# Altium PCB HK0J2071758B03.PcbDoc (part 1 of 5)
Units mm, origin at the board's own origin, x right, y up, seen from the top; angles counter-clockwise.
Board outline 42.1 x 32.68 mm, 2 copper layers (TOP, BOTTOM), stack 0.321 mm thick; 44 components, 54 nets, 194 pads, 149 vias.
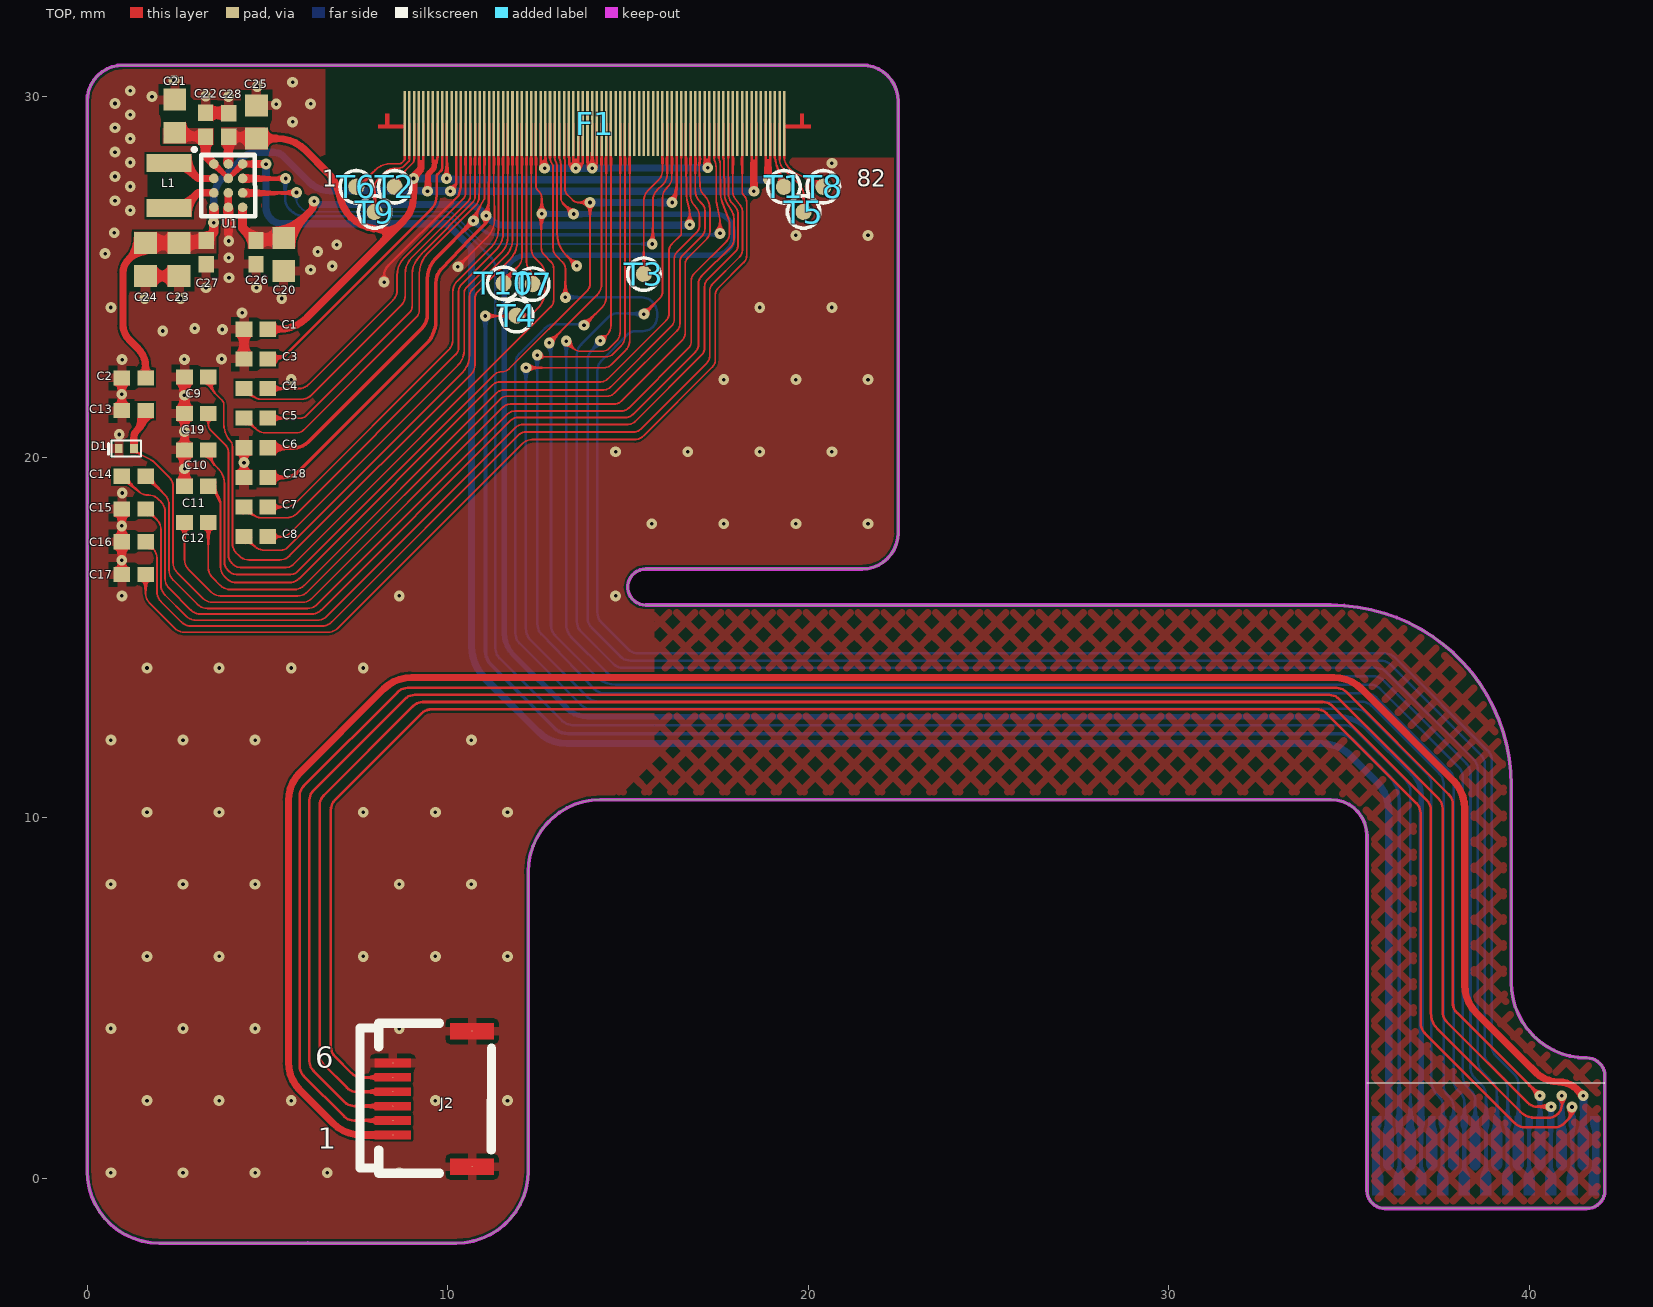
[diagram p0: TOP view]
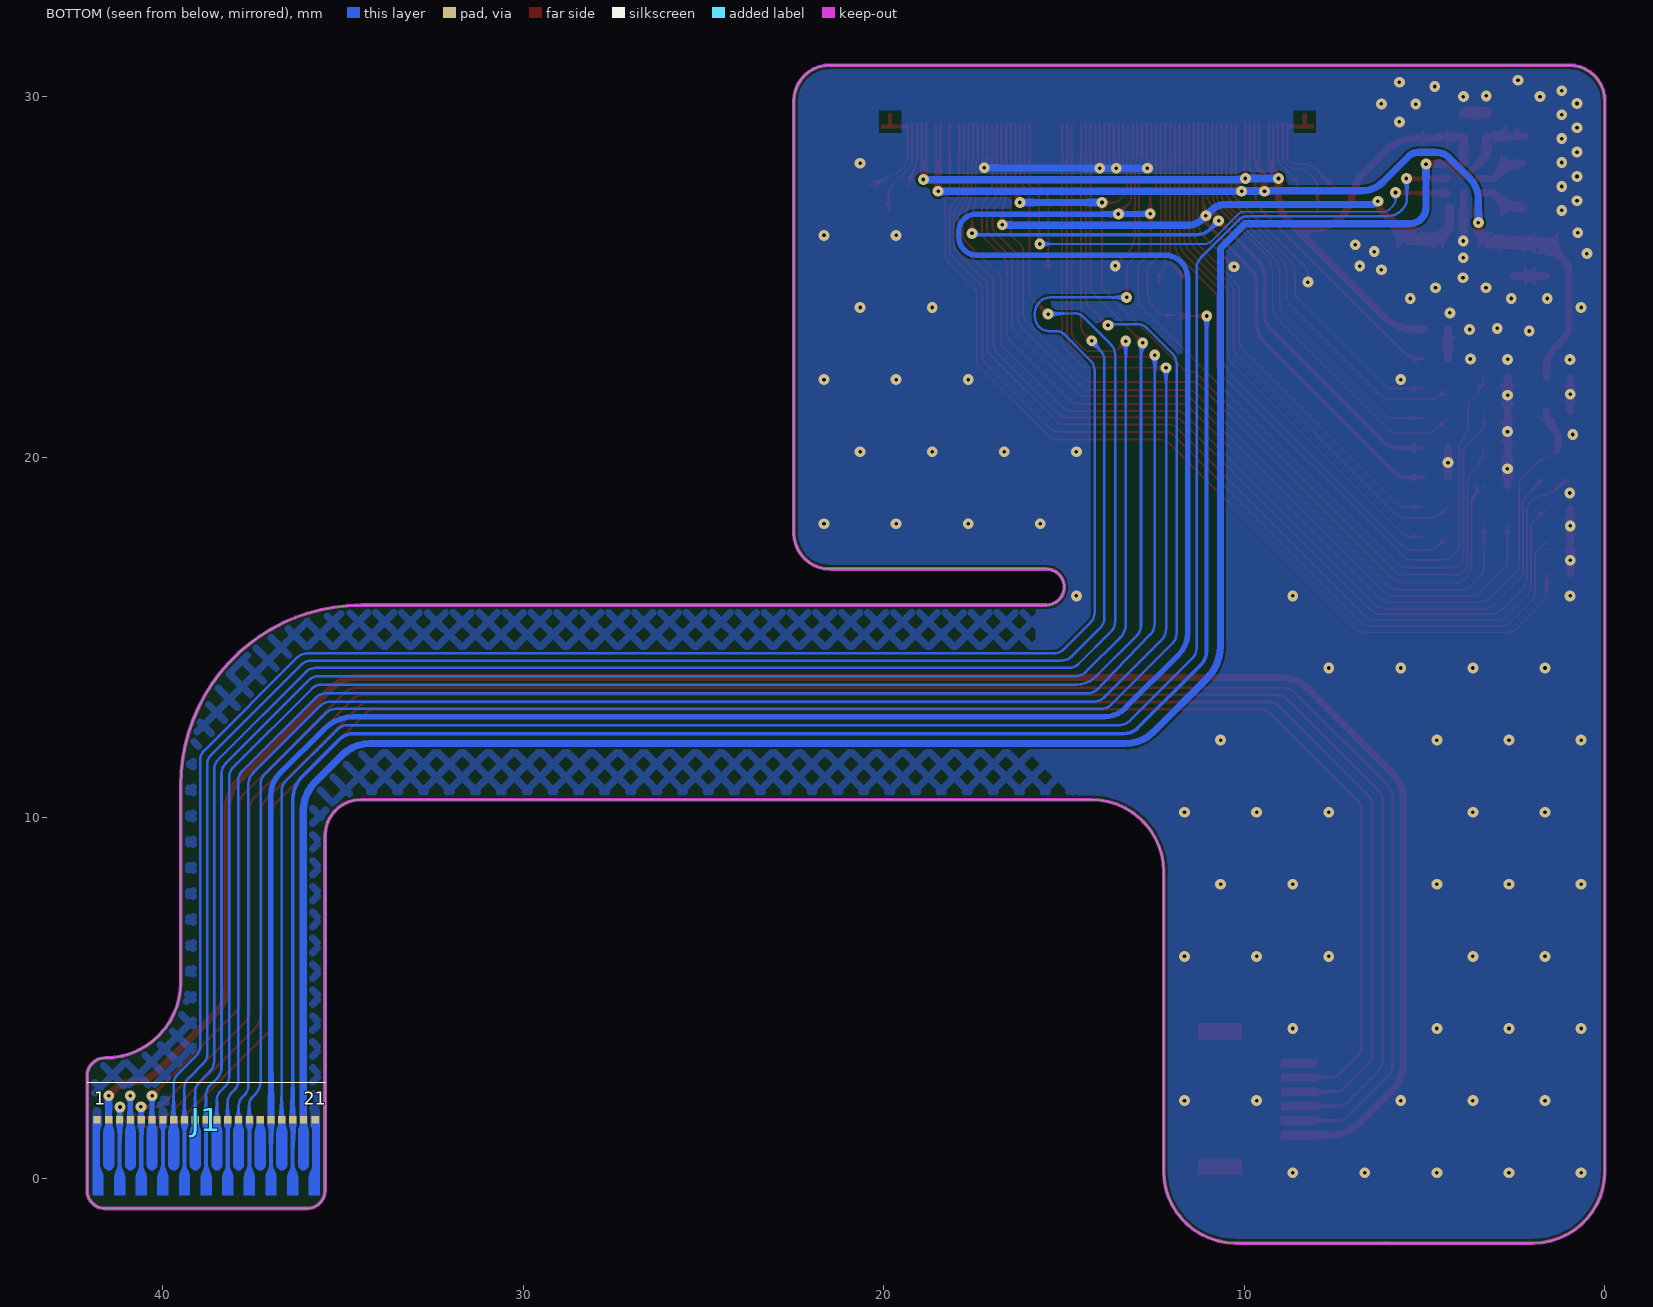
[diagram p1: BOTTOM view, seen from below]
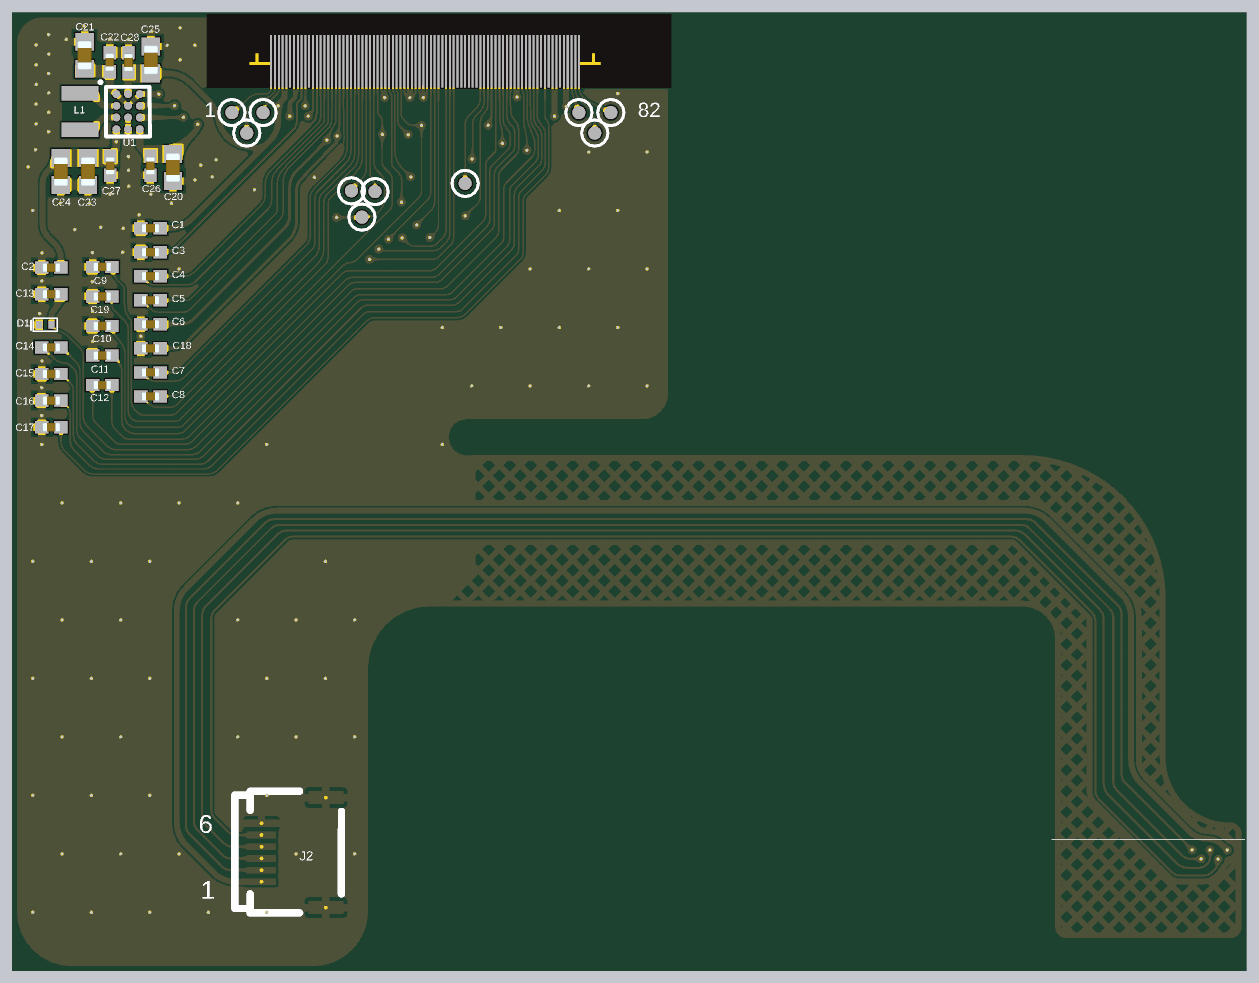
[diagram p6: 3D render of the assembled board from above, using the file's embedded part models]

## Layer stack, top to bottom
Top Stiffener: core 0.1, Core-009, Dk 4.5
Top Coverlay: solder mask 0.05, FC-001, Dk 4
TOP: signal copper 0.035
Adhesive 1: prepreg 0.013, PP-006, Dk 4.1
Polymide: core 0.025, Core-001, Dk 4.1
Adhesive 2: prepreg 0.013, PP-006, Dk 4.1
BOTTOM: signal copper 0.035
Bottom Coverlay: solder mask 0.05, FC-001, Dk 4
Bottom Stiffener: core 0.1, Core-009, Dk 4.5

## Board outline
2,-1.803 10.24,-1.803 ccw(c10.24,0.197) 12.24,0.197 12.24,8.497 cw(c14.24,8.497) 14.24,10.497 34.504,10.497 cw(c34.504,9.497) 35.504,9.497 35.504,-0.341 ccw(c36.004,-0.341) 36.004,-0.841 41.604,-0.841 ccw(c41.604,-0.341) 42.104,-0.341 42.104,2.834 ccw(c41.605,2.834) 41.604,3.334 cw(c41.604,5.434) 39.504,5.434 39.504,10.897 ccw(c34.505,10.897) 34.504,15.897 15.5,15.897 cw(c15.5,16.397) 15.5,16.897 21.5,16.897 ccw(c21.5,17.897) 22.5,17.897 22.5,29.876 ccw(c21.5,29.876) 21.5,30.876 1,30.876 ccw(c1,29.876) 0,29.876 0,0.197 ccw(c2,0.197)

## Design rules (kind name [scope] priority, off if disabled: settings)
BoardOutlineClearance [All] p1: gap=0.051 ignorepadtopadclearanceinfootprint=FALSE
Clearance [All] p1: gap=0.07 ignorepadtopadclearanceinfootprint=TRUE except(0.05: Arc-Region Track-Region SMDPad-Region Via-Region Region-Region; 0.06: Arc-Arc Arc-Track Arc-SMDPad Arc-THPad Arc-Via Arc-Fill Arc-Poly Arc-Text Arc-Hole Track-Track Track-SMDPad Track-THPad Track-Via Track-Fill Track-Poly Track-Text Track-Hole THPad-Region Fill-Region Poly-Region; 0.076: Text-Text Text-Hole)
ComponentClearance [All] p1: gap=0 collisioncheckmode=3 verticalgap=0.254 showdistances=FALSE
DiffPairsRouting [All] p1: maxlimit=0.254 minlimit=0.254 mostfreqgap=0.254 toplayer_minwidth=0.381 toplayer_maxwidth=0.381 toplayer_prefwidth=0.381 bottomlayer_minwidth=0.381 bottomlayer_maxwidth=0.381 bottomlayer_prefwidth=0.381 substack1={169C3359-E97F-47B8-B5D1-FE20E11E3A7F} toplayer_{169c3359-e97f-47b8-b5d1-fe20e11e3a7f}_minwidth=0.381 toplayer_{169c3359-e97f-47b8-b5d1-fe20e11e3a7f}_maxwidth=0.381 toplayer_{169c3359-e97f-47b8-b5d1-fe20e11e3a7f}_prefwidth=0.381 bottomlayer_{169c3359-e97f-47b8-b5d1-fe20e11e3a7f}_minwidth=0.381 bottomlayer_{169c3359-e97f-47b8-b5d1-fe20e11e3a7f}_maxwidth=0.381 bottomlayer_{169c3359-e97f-47b8-b5d1-fe20e11e3a7f}_prefwidth=0.381 substack2={AD35D62E-E976-4F43-AFB7-1F8630225B68} toplayer_{ad35d62e-e976-4f43-afb7-1f8630225b68}_minwidth=0.381 toplayer_{ad35d62e-e976-4f43-afb7-1f8630225b68}_maxwidth=0.381 toplayer_{ad35d62e-e976-4f43-afb7-1f8630225b68}_prefwidth=0.381 bottomlayer_{ad35d62e-e976-4f43-afb7-1f8630225b68}_minwidth=0.381 bottomlayer_{ad35d62e-e976-4f43-afb7-1f8630225b68}_maxwidth=0.381 bottomlayer_{ad35d62e-e976-4f43-afb7-1f8630225b68}_prefwidth=0.381 substack3={7EE685B5-E26D-42BB-97A2-8B5C11376137} toplayer_{7ee685b5-e26d-42bb-97a2-8b5c11376137}_minwidth=0.381 toplayer_{7ee685b5-e26d-42bb-97a2-8b5c11376137}_maxwidth=0.381 toplayer_{7ee685b5-e26d-42bb-97a2-8b5c11376137}_prefwidth=0.381 bottomlayer_{7ee685b5-e26d-42bb-97a2-8b5c11376137}_minwidth=0.381 bottomlayer_{7ee685b5-e26d-42bb-97a2-8b5c11376137}_maxwidth=0.381 bottomlayer_{7ee685b5-e26d-42bb-97a2-8b5c11376137}_prefwidth=0.381 substack4={C0098630-1477-4163-96F2-A121F3601C51} toplayer_{c0098630-1477-4163-96f2-a121f3601c51}_minwidth=0.381 toplayer_{c0098630-1477-4163-96f2-a121f3601c51}_maxwidth=0.381 toplayer_{c0098630-1477-4163-96f2-a121f3601c51}_prefwidth=0.381 bottomlayer_{c0098630-1477-4163-96f2-a121f3601c51}_minwidth=0.381 bottomlayer_{c0098630-1477-4163-96f2-a121f3601c51}_maxwidth=0.381 bottomlayer_{c0098630-1477-4163-96f2-a121f3601c51}_prefwidth=0.381 maxuncoupledlength=12.7
HoleSize [All] p1: absolutevalues=TRUE maxlimit=3.835 minlimit=0.075 maxpercent=80.000 minpercent=20.000
HoleToHoleClearance [All] p1: gap=0.102 allowstackedmicrovias=TRUE
MinimumSolderMaskSliver [All] p1: minsoldermaskwidth=0.025
PlaneConnect [All] p1: planeconnectstyle=Direct reliefexpansion=0.508 reliefentries=4 reliefconductorwidth=0.254 reliefairgap=0.254
PolygonConnect [All] p1: thpad.connectstyle=Relief thpad.reliefconductorwidth=0.254 thpad.reliefentries=4 thpad.polygonreliefangle="90 Angle" thpad.airgapwidth=0.254 smdpad.connectstyle=Relief smdpad.reliefconductorwidth=0.254 smdpad.reliefentries=4 smdpad.polygonreliefangle="90 Angle" smdpad.airgapwidth=0.127 via.connectstyle=Direct via.reliefconductorwidth=0.254 via.reliefentries=4 via.polygonreliefangle="90 Angle" via.airgapwidth=0.254
RoomDefinition FOF [InComponentClass('Room Definition1')] p1: confinementstyle=ConfineIn formatcopy=TRUE lockcomponents=FALSE outline 8.076,28.301 8.076,30.201 20.076,30.201 20.076,28.301
RoutingVias [All] p1: holewidth=0.075 width=0.25 viastyle="Through Hole" minholewidth=0.075 minwidth=0.152 maxholewidth=0.635 maxwidth=1.27
SilkToSilkClearance [All] p1: silktosilkclearance=0
SilkToSolderMaskClearance [IsPad] p1: minsilkscreentomaskgap=0 clearancetoexposedcopper=FALSE
SolderMaskExpansion [All] p1: expansion=0.05 istentingtop=FALSE
SupplyNets "Schematic Supply Nets_1" [InNet('VBAT')] p1: voltage=0.000
SupplyNets "Schematic Supply Nets" [InNet('GND')] p2: voltage=0.000
UnRoutedNet [All] p1: checkbadconnections=TRUE
Width Width_FOF [WithinRoom('FOF')] p1: maxlimit=0.254 minlimit=0.07 preferedwidth=0.07 substack1={169C3359-E97F-47B8-B5D1-FE20E11E3A7F} substack2={AD35D62E-E976-4F43-AFB7-1F8630225B68} substack3={7EE685B5-E26D-42BB-97A2-8B5C11376137} substack4={C0098630-1477-4163-96F2-A121F3601C51}
Width [All] p2: maxlimit=2 minlimit=0.05 preferedwidth=0.102 substack1={169C3359-E97F-47B8-B5D1-FE20E11E3A7F} substack2={AD35D62E-E976-4F43-AFB7-1F8630225B68} substack3={7EE685B5-E26D-42BB-97A2-8B5C11376137} substack4={C0098630-1477-4163-96F2-A121F3601C51} minimp=50.000000 maximp=50.000000 favimp=50.000000
21 further rules are at their usual default settings.

## Components (designator, comment, footprint, x,y, rotation, side; value= is the part's Value field where it differs from the comment)
C1 "2.2uF/0201/6.3V" CAPC0603X33N 4.682,23.547 r180 top
C2 "2.2uF/0201/6.3V" CAPC0603X33N 1.293,22.199 r180 top
C3 "1.0uF/0201/6.3V" CAPC0603X33N 4.682,22.725 r180 top
C4 "1.0uF/0201/6.3V" CAPC0603X33N 4.682,21.903 r180 top
C5 "1.0uF/0201/6.3V" CAPC0603X33N 4.682,21.081 r180 top
C6 "2.2uF/0201/10V" CAPC0603X33N 4.682,20.259 r180 top
C7 "1.0uF/0201/10V" CAPC0603X33N 4.682,18.616 r180 top
C8 "1.0uF/0201/10V" CAPC0603X33N 4.682,17.794 r180 top
C9 "2.2uF/0201/10V" CAPC0603X33N 3.033,22.222 r180 top
C10 "1.0uF/0201/6.3V" CAPC0603X33N 3.033,20.202 r180 top
C11 "22nF/0201/6.3V" CAPC0603X33N 3.033,19.192 r180 top
C12 "1.0uF/0201/10V" CAPC0603X33N 3.033,18.182 r180 top
C13 "2.2uF/0201/10V" CAPC0603X33N 1.293,21.289 r180 top
C14 "1.0uF/0201/10V" CAPC0603X33N 1.293,19.47 r180 top
C15 "2.2uF/0201/10V" CAPC0603X33N 1.293,18.561 r180 top
C16 "2.2uF/0201/10V" CAPC0603X33N 1.293,17.651 r180 top
C17 "2.2uF/0201/10V" CAPC0603X33N 1.293,16.742 r180 top
C18 "2.2uF/0201/6.3V" CAPC0603X33N 4.682,19.438 r180 top
C19 "2.2uF/0201/6.3V" CAPC0603X33N 3.033,21.212 r180 top
C20 "10uF/0402/6.3V" CAPC1005X57N 5.453,25.621 r90 top
C21 "10uF/6.3V" CAPC1005X57N 2.432,29.459 r270 top
C22 "100nF/6.3V" CAPC0603X33N 3.289,29.221 r90 top
C23 "10uF/0402/6.3V" CAPC1005X57N 2.548,25.484 r90 top
C24 "10uF/0402/6.3V" CAPC1005X57N 1.621,25.484 r90 top
C25 "22uF/0402/6.3V" CAPC1005X57N 4.7,29.3 r270 top
C26 "100nF/0201/6.3V" CAPC0603X33N 4.682,25.679 r270 top
C27 "100nF/0201/6.3V" CAPC0603X33N 3.306,25.679 r270 top
C28 "100nF/0201/6.3V" CAPC0603X33N 3.931,29.213 r90 top
D1 "LDSR01S30ST5G" DFN0603-D_L0.6-W0.3-P0.34-RD 1.088,20.24 r0 top
F1 "COF" "COF CONNECTOR" 14.076,29.251 r0 top locked
J1 "FPC_Connector" "FPC CONNECTOR" 38.802,1.619 r180 bottom
J2 "OK-F401-06125" FFC-SMD_6P-P0.50_FH34SRJ-6S-0.5SH 9.581,2.197 r90 top
L1 "GLULK2R201A" MPL2012S2R2MDT 2.274,27.531 r270 top
T1 "Test_Point" TP-C045-PI 19.331,27.5 r0 top
T2 "Test_Point" TP-C045-PI 8.532,27.5 r0 top
T3 "Test_Point" TP-C045-PI 15.443,25.077 r0 top
T4 "Test_Point" TP-C045-PI 11.913,23.925 r90 top
T5 "Test_Point" TP-C045-PI 19.874,26.8 r0 top
T6 "Test_Point" TP-C045-PI 7.466,27.5 r0 top
T7 "Test_Point" TP-C045-PI 12.362,24.798 r0 top
T8 "Test_Point" TP-C045-PI 20.423,27.5 r0 top
T9 "Test_Point" TP-C045-PI 7.976,26.8 r0 top
T10 "Test_Point" TP-C045-PI 11.555,24.824 r0 top
U1 "BV6810A" WLCSP-12_L1.7-W1.5-R4-C3-P0.40-TL-1 3.917,27.531 r0 top

## Footprints (in the part's own frame and the unit in brackets; to place one, negate y for a bottom-side part, rotate by r counter-clockwise, add the part's x,y. Pads: shape width x height; smd on the part's side, far side on the other; paste and mask are expansions set on the pad)
CAPC0603X33N [mm]
  rect 0.46x0.42 smd: 1(-0.33,0) 2(0.33,0)
  body extent -0.3,-0.15 0.3,0.15, height 0.33
CAPC1005X57N [mm]
  rect 0.61x0.63 smd: 1(-0.46,0) 2(0.46,0)
  body extent -0.5,-0.25 0.5,0.25, height 0.57
"COF CONNECTOR" [mm]
  rect 0.07x1.8 smd: 1(-5.265,0) 2(-5.135,0) 3(-5.005,0) 4(-4.875,0) 5(-4.745,0) 6(-4.615,0) 7(-4.485,0) 8(-4.355,0) 9(-4.225,0) 10(-4.095,0) 11(-3.965,0) 12(-3.835,0) 13(-3.705,0) 14(-3.575,0) 15(-3.445,0) 16(-3.315,0) 17(-3.185,0) 18(-3.055,0) 19(-2.925,0) 20(-2.795,0) 21(-2.665,0) 22(-2.535,0) 23(-2.405,0) 24(-2.275,0) 25(-2.145,0) 26(-2.015,0) 27(-1.885,0) 28(-1.755,0) 29(-1.625,0) 30(-1.495,0) 31(-1.365,0) 32(-1.235,0) 33(-1.105,0) 34(-0.975,0) 35(-0.845,0) 36(-0.715,0) 37(-0.585,0) 38(-0.455,0) 39(-0.325,0) 40(-0.195,0) 41(-0.065,0) 42(0.065,0) 43(0.195,0) 44(0.325,0) 45(0.455,0) 46(0.585,0) 47(0.715,0) 48(0.845,0) 49(0.975,0) 50(1.105,0) 51(1.235,0) 52(1.365,0) 53(1.495,0) 54(1.625,0) 55(1.755,0) 56(1.885,0) 57(2.015,0) 58(2.145,0) 59(2.275,0) 60(2.405,0) 61(2.535,0) 62(2.665,0) 63(2.795,0) 64(2.925,0) 65(3.055,0) 66(3.185,0) 67(3.315,0) 68(3.445,0) 69(3.575,0) 70(3.705,0) 71(3.835,0) 72(3.965,0) 73(4.095,0) 74(4.225,0) 75(4.355,0) 76(4.485,0) 77(4.615,0) 78(4.745,0) 79(4.875,0) 80(5.005,0) 81(5.135,0) 82(5.265,0)
  TOP region: -5.3,-0.125 -5.3,-0.025 -5.7,-0.025 -5.7,0.275 -5.8,0.275 -5.8,-0.025 -6,-0.025 -6,-0.125
  TOP region: 5.3,-0.125 5.3,-0.025 5.7,-0.025 5.7,0.275 5.8,0.275 5.8,-0.025 6,-0.025 6,-0.125
DFN0603-D_L0.6-W0.3-P0.34-RD [mm]
  rect 0.22x0.26 smd paste+0 mask+0.051: 1(-0.21,0) 2(0.21,0)
  silkscreen extent -0.49,-0.22 0.41,0.22
FFC-SMD_6P-P0.50_FH34SRJ-6S-0.5SH [mm]
  round 0.025 smd: 1(-1,1.1) 2(-0.6,1.1) 3(-0.2,1.1) 4(0.2,1.1) 5(0.6,1.1) 6(1,1.1) 7(-1.88,-1.1) 8(1.88,-1.1)
  TOP region: 2.1,-0.5 1.66,-0.5 1.66,-1.7 2.1,-1.7
  TOP region: 1.115,1.6 0.885,1.6 0.885,0.6 1.115,0.6
  TOP region: -0.085,1.6 -0.315,1.6 -0.315,0.6 -0.085,0.6
  TOP region: -0.885,1.6 -1.115,1.6 -1.115,0.6 -0.885,0.6
  TOP region: -0.485,1.6 -0.715,1.6 -0.715,0.6 -0.485,0.6
  TOP region: 0.315,1.6 0.315,0.6 0.085,0.6 0.085,1.6
  TOP region: -1.66,-0.5 -2.1,-0.5 -2.1,-1.7 -1.66,-1.7
  TOP region: 0.715,1.6 0.485,1.6 0.485,0.6 0.715,0.6
  silkscreen extent -2.06,-1.63 2.1,2.01
"FPC CONNECTOR" [mm]
  rect 0.2x0.2 smd: 1(-3.025,0) 1(-3.025,0) 2(-2.7,0) 3(-2.4,0) 4(-2.1,0) 5(-1.8,0) 6(-1.5,0) 7(-1.2,0) 8(-0.9,0) 9(-0.6,0) 10(-0.3,0) 11(0,0) 12(0.3,0) 13(0.6,0) 14(0.9,0) 15(1.2,0) 16(1.5,0) 17(1.8,0) 18(2.1,0) 19(2.4,0) 20(2.7,0) 21(3.025,0)
  TOP region: 1.621,-1.329 1.628,-1.322 1.639,-1.306 1.646,-1.288 1.65,-1.268 1.65,-1.259 1.65,-1.259 1.65,-0.349 1.65,-0.337 1.648,-0.313 1.644,-0.289 1.638,-0.265 1.635,-0.254 1.635,-0.254 1.615,-0.196 1.612,-0.185 1.606,-0.161 1.602,-0.137 1.6,-0.113 1.6,-0.101 1.6,-0.101 1.6,0.1 1.4,0.1 1.4,-0.101 1.4,-0.113 1.398,-0.137 1.394,-0.161 1.388,-0.185 1.385,-0.196 1.385,-0.196 1.365,-0.254 1.362,-0.265 1.356,-0.289 1.352,-0.313 1.35,-0.337 1.35,-0.349 1.35,-0.349 1.35,-1.259 1.35,-1.268 1.354,-1.288 1.361,-1.306 1.372,-1.322 1.379,-1.329 1.379,-1.329 1.45,-1.4 1.55,-1.4
  TOP region: 1.95,-2.1 1.95,-1.601 1.95,-1.586 1.947,-1.557 1.941,-1.528 1.933,-1.5 1.927,-1.486 1.927,-1.486 1.873,-1.355 1.868,-1.341 1.859,-1.313 1.853,-1.284 1.85,-1.255 1.85,-1.24 1.85,-1.24 1.85,-0.332 1.85,-0.324 1.851,-0.308 1.854,-0.293 1.858,-0.277 1.86,-0.269 1.86,-0.269 1.895,-0.165 1.896,-0.162 1.898,-0.154 1.899,-0.146 1.9,-0.138 1.9,-0.134 1.9,-0.134 1.9,0.1 1.7,0.1 1.7,-0.134 1.7,-0.138 1.701,-0.146 1.702,-0.154 1.704,-0.162 1.705,-0.165 1.705,-0.165 1.74,-0.269 1.742,-0.277 1.746,-0.293 1.749,-0.308 1.75,-0.324 1.75,-0.332 1.75,-0.332 1.75,-1.24 1.75,-1.255 1.747,-1.284 1.741,-1.313 1.732,-1.341 1.727,-1.355 1.727,-1.355 1.673,-1.486 1.667,-1.5 1.659,-1.528 1.653,-1.557 1.65,-1.586 1.65,-1.601 1.65,-1.601 1.65,-2.1
  TOP region: 2.221,-1.329 2.228,-1.322 2.239,-1.306 2.246,-1.288 2.25,-1.268 2.25,-1.259 2.25,-1.259 2.25,-0.349 2.25,-0.337 2.248,-0.313 2.244,-0.289 2.238,-0.265 2.235,-0.254 2.235,-0.254 2.215,-0.196 2.212,-0.185 2.206,-0.161 2.202,-0.137 2.2,-0.113 2.2,-0.101 2.2,-0.101 2.2,0.1 2,0.1 2,-0.101 2,-0.113 1.998,-0.137 1.994,-0.161 1.988,-0.185 1.985,-0.196 1.985,-0.196 1.965,-0.254 1.962,-0.265 1.956,-0.289 1.952,-0.313 1.95,-0.337 1.95,-0.349 1.95,-0.349 1.95,-1.259 1.95,-1.268 1.954,-1.288 1.961,-1.306 1.972,-1.322 1.979,-1.329 1.979,-1.329 2.05,-1.4 2.15,-1.4